# Altium PCB Time4CM4_PCIeCarrier_PCB.PcbDoc (part 4 of 5) (continued)
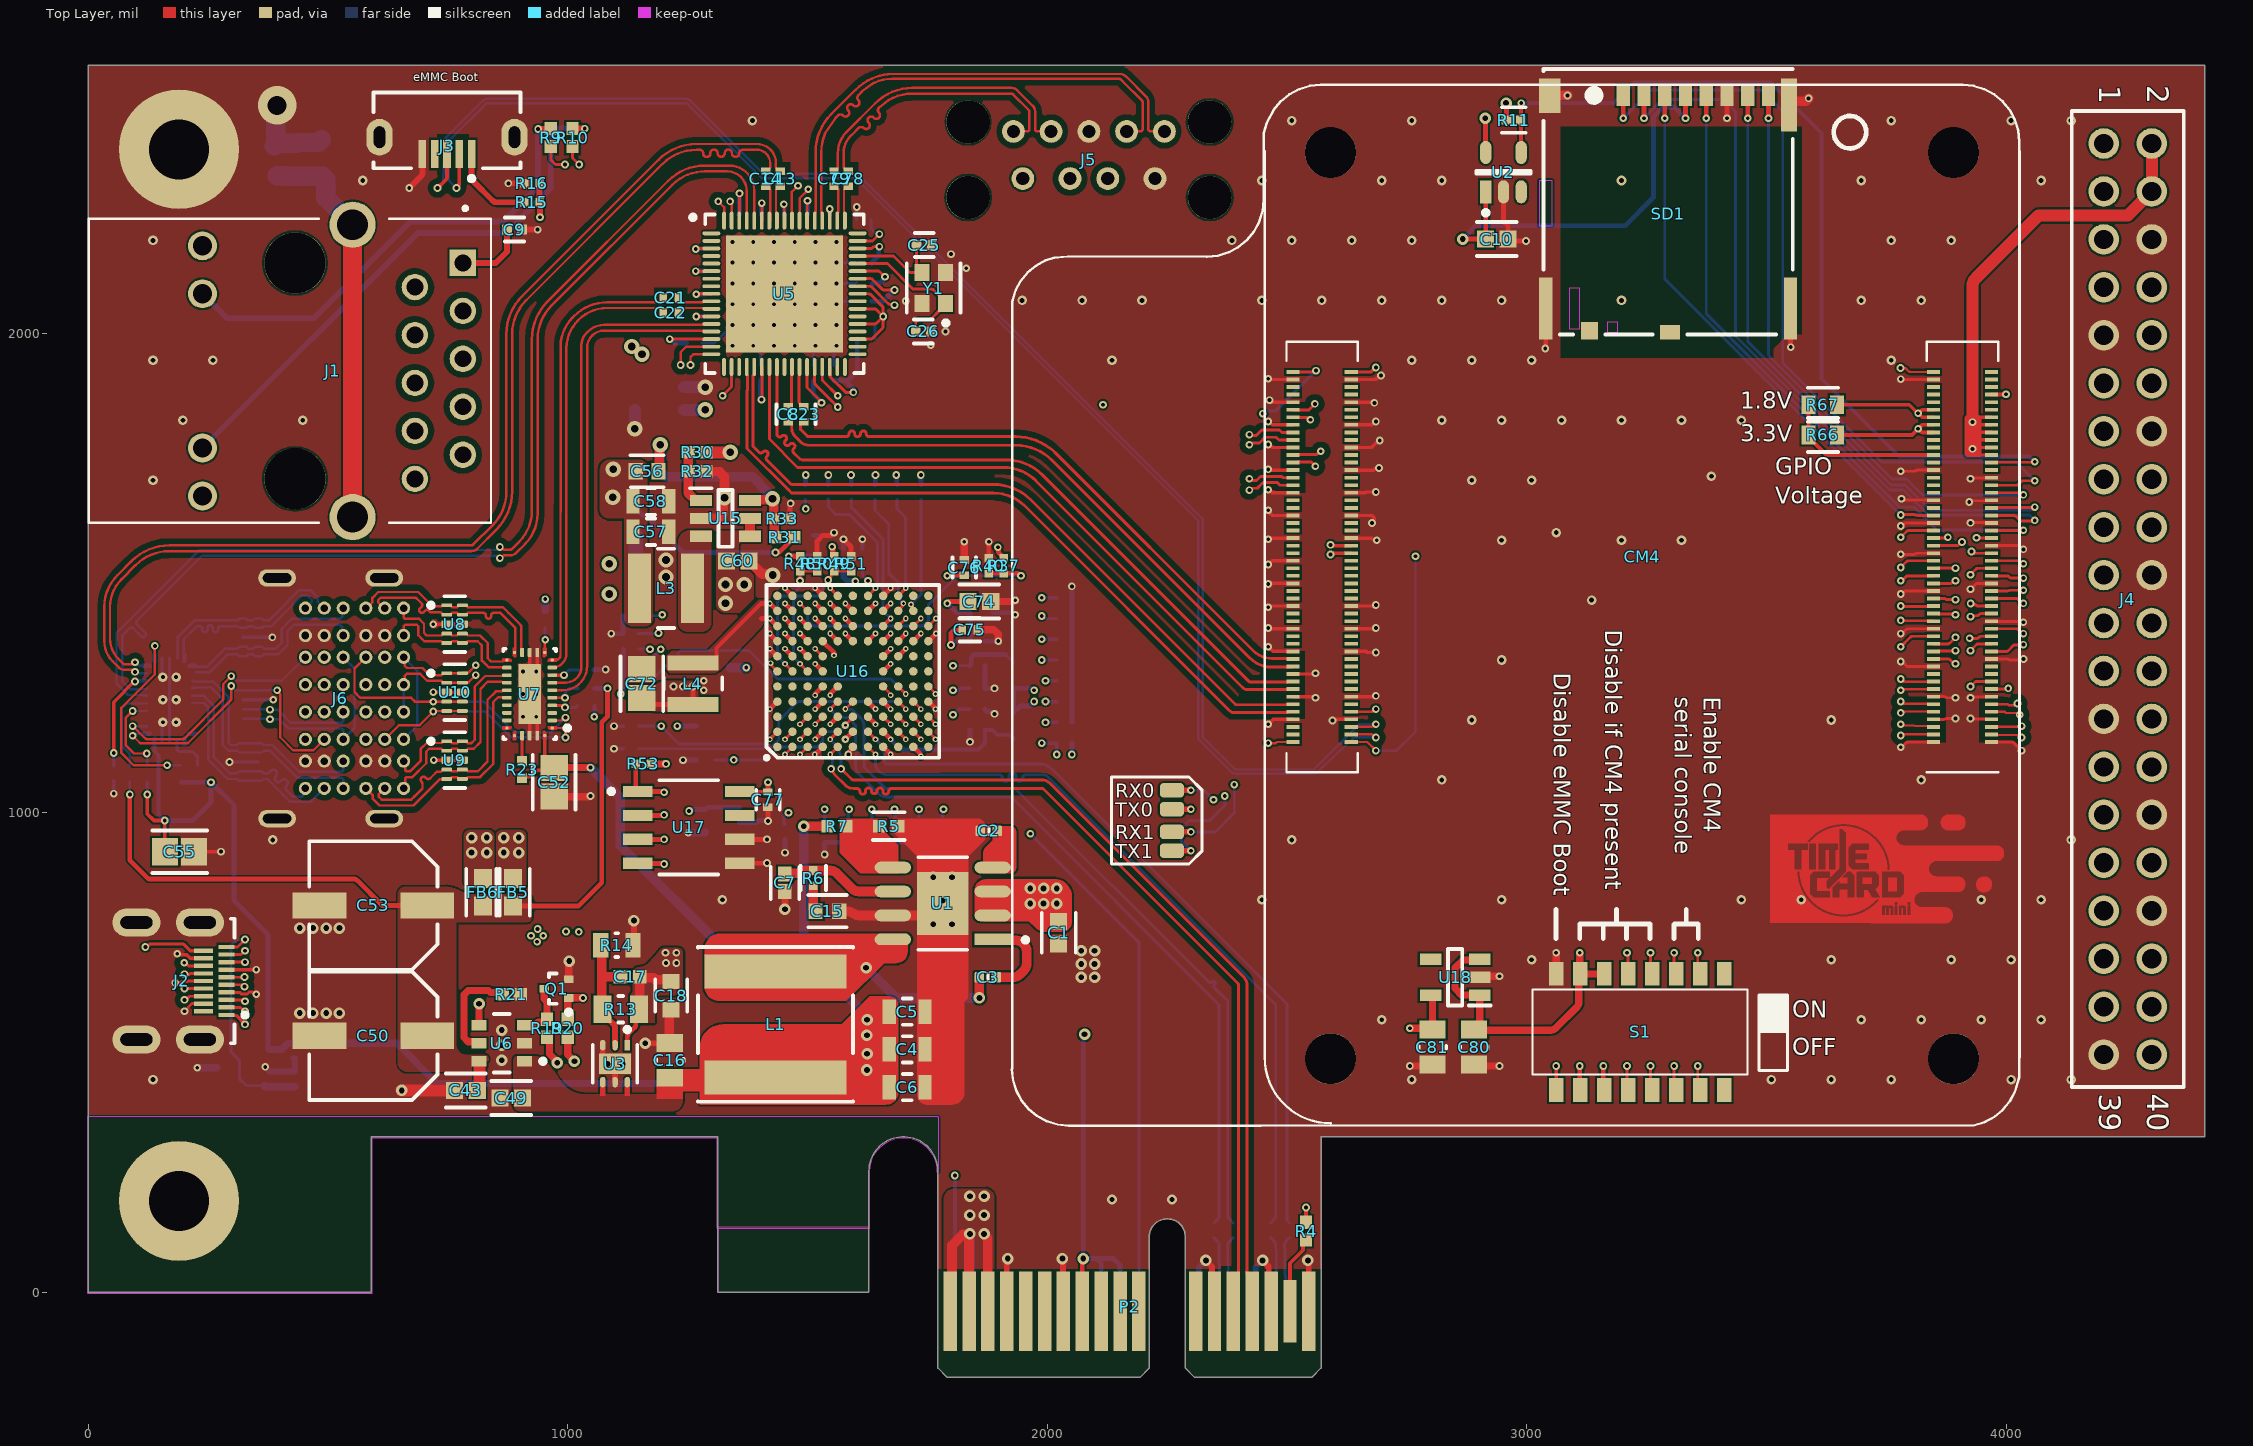
[diagram p0: Top Layer view]
## Nets (pads, with @x,y where several pads share a name; then routed paths per layer and width w, separated by ;. In a path a pad name is that pad's centre, name@x,y a point inside that pad or via, vN(x,y) a via of type N, cw(c..) or ccw(c..) an arc to the next point about the centre after c; other vN are vias at no path point) (continued)
  Bottom Layer w7: R44.2@1146.65,1411.06 R44.2@1146.83,1411.24
NetR45_1: R45.1 U16.A6 | length 324
  Top Layer w6: v3(1422.58,1312.34) 1423.73,1311.19 1423.73,1308.56 U16.A6@1437.01,1295.28
  Int2 (Sign) w6: v1(1193.9,1341.54) 1390.75,1341.54 1416.94,1315.34 1417.95,1315.34 1420.95,1312.34 v3(1422.58,1312.34)
  Bottom Layer w6: R45.1@1146.65,1310.31 1162.67,1310.31 v1(1193.9,1341.54)
NetR46_1: R46.1 U16.J5 | length 642.7
  Top Layer w6: U16.J5@1688.98,1263.78 v3(1704.72,1248.03)
  Bottom Layer w6: R46.1@1146.65,1278.54 1147.64,1279.53 1177.17,1279.53 1236.22,1338.58 1377.95,1338.58 1437.01,1279.53 1673.23,1279.53 v3(1704.72,1248.03)
NetR47_1: R47.1 U16.E10 | length 484.5
  Top Layer w10: v3(1547.24,1437.01) U16.E10@1562.99,1421.26
  Int2 (Sign) w6: v1(1171.26,1341.54) 1171.26,1380.91 1187.99,1397.64 1373.65,1397.64 1394.32,1418.31 1528.54,1418.31 v3(1547.24,1437.01)
  Bottom Layer w6: R47.1@1147.64,1341.54 v1(1171.26,1341.54)
NetR52_1: R52.1 U16.A2 | length 316.6
  Top Layer w6: v3(1421.26,1153.54) U16.A2@1437.01,1169.29
  Int2 (Sign) w6: v1@1196.85,1179.83 v1@1196.85,1181.1
  Bottom Layer w6: R52.1@1147.64,1181.1 v1(1194.88,1181.1) 1232.13,1143.86 1411.58,1143.86 v3(1421.26,1153.54)
NetR54_1: R54.1 U16.C3 | length 374.5
  Top Layer w6: v3(1484.25,1185.04) U16.C3@1500,1200.79
  Int2 (Sign) w6: v3(1484.25,1185.04) 1500.98,1168.31 1522.64,1168.31 1532.48,1158.46 1532.48,1083.66 1579.72,1036.42 1652.56,1036.42 v1(1681.1,1007.87)
  Bottom Layer w7: v1(1681.1,1007.87) 1681.1,1005.44 1683.07,1003.47 R54.1@1683.07,970.47
NetR55_1: R55.1 U16.B2 | length 239.6
  Top Layer w6: v3(1452.76,1153.54) U16.B2@1468.5,1169.29
  Int2 (Sign) w6: v3(1452.76,1153.54) 1469.49,1136.81 1469.49,1073.82 v1(1535.43,1007.87)
  Bottom Layer w7: R55.1@1535.43,970.47 v1(1535.43,1007.87)
NetR56_1: R56.1 U16.B1 | length 178.6
  Top Layer w6: v3(1452.76,1122.05) U16.B1@1468.5,1137.8
  Int2 (Sign) w6: v3(1452.76,1122.05) 1452.76,1120.42 1456.69,1116.49 1456.69,1006.64 1460.26,1003.07 v1(1460.26,1000.36)
  Bottom Layer w7: R56.1@1452.76,976.38 1450.79,978.35 1450.79,995.6 1451.83,996.64 1454.1,996.64 1457.83,1000.36 v1(1460.26,1000.36)
NetR57_1: R57.1 U16.C2 | length 291.5
  Top Layer w6: v3(1484.25,1153.54) U16.C2@1500,1169.29
  Int2 (Sign) w6: v3(1484.25,1153.54) 1499.02,1138.78 1499.02,1101.38 1575.79,1024.61 1617.13,1024.61 v1(1633.86,1007.87)
  Bottom Layer w7: R57.1@1633.86,970.47 v1(1633.86,1007.87)
NetR58_1: R58.1 U16.D3 | length 377.8
  Top Layer w6: v3(1515.75,1185.04) U16.D3@1531.5,1200.79
  Int2 (Sign) w6: v3(1515.75,1185.04) 1516.9,1183.89 1527.72,1183.89 1539.58,1172.04 1550.4,1172.04 1562.01,1160.43 1562.01,1123.03 1586.61,1098.43 1586.61,1087.6 1621.06,1053.15 1687.01,1053.15 v1(1732.28,1007.87)
  Bottom Layer w7: R58.1@1732.28,970.47 v1(1732.28,1007.87)
NetR59_1: R59.1 U16.C1 | length 227
  Top Layer w6: v3(1484.25,1122.05) U16.C1@1500,1137.8
  Int2 (Sign) w6: v3(1484.25,1122.05) 1484.25,1097.44 1573.82,1007.87 v1(1586.61,1007.87)
  Bottom Layer w7: R59.1@1584.65,970.47 1584.65,1003.47 1586.61,1005.44 v1(1586.61,1007.87) v1@1584.89,1006.15
NetR60_1: R60.1 U16.K1 | length 338.9
  Top Layer w10: U16.K1@1720.47,1137.8 1735.84,1122.43 1735.84,1118.61 v3(1736.22,1118.23)
  Int2 (Sign) w6: v3(1736.22,1118.23) 1737.37,1119.38 1741.61,1119.38 1741.84,1119.61 1765.28,1119.61 1808.9,1163.23 1970.31,1163.23 v1(1996.06,1188.98)
  Bottom Layer w7: v1(1996.06,1188.98) R60.1@2019.69,1188.98
NetR61_1: R61.1 U16.K2 | length 517.3
  Top Layer w6: U16.K2@1720.47,1169.29 v3(1736.22,1153.54)
  Int2 (Sign) w6: v3(1736.22,1153.54) 1751.97,1137.8 1769.32,1137.8 1804.76,1173.23 1958.22,1173.23 2011.06,1226.07 2011.06,1339.33 v1(1988.19,1362.2)
  Bottom Layer w7: v1(1988.19,1362.2) R61.1@2019.69,1362.2
NetR62_1: R62.1 U16.J3 | length 477.6
  Top Layer w6: U16.J3@1688.98,1200.79 v3(1704.72,1185.04)
  Int2 (Sign) w6: v3(1704.72,1185.04) 1717.13,1185.04 1730.63,1198.54 1737.91,1198.54 1749.72,1210.35 1749.72,1257.59 1767.72,1275.59 1881.89,1275.59 1963.76,1357.46 1963.76,1386.39 v1(1988.19,1410.83)
  Bottom Layer w7: v1(1988.19,1410.83) 1990.62,1410.83 1995.94,1405.51 R62.1@2019.69,1405.51
NetR63_1: R63.1 U16.L2 | length 310.3
  Top Layer w6: U16.L2@1751.97,1169.29 1766.53,1154.73 v3(1766.53,1153.54)
  Int2 (Sign) w6: v3(1766.53,1153.54) 1798.02,1185.04 1948.82,1185.04 v1(1996.06,1232.28) v1@1994.15,1230.37
  Bottom Layer w7: v1(1996.06,1232.28) R63.1@2019.69,1232.28
NetR64_1: R64.1 U16.K3 | length 343.2
  Top Layer w6: U16.K3@1720.47,1200.79 v3(1736.22,1185.04)
  Int2 (Sign) w6: v3(1736.22,1185.04) 1747.44,1185.04 1760.94,1198.54 1773.34,1198.54 1796.41,1221.6 1906.64,1221.6 1960.63,1275.59 v1(1996.06,1275.59)
  Bottom Layer w7: v1(1996.06,1275.59) R64.1@2019.69,1275.59
NetR65_2: R65.2 U16.L5 | length 314.1
  Top Layer w6: U16.L5@1751.97,1263.78 1766.53,1249.22 v3(1766.53,1248.03)
  Int2 (Sign) w6: v3(1766.53,1248.03) 1778.34,1236.22 1905.51,1236.22 v1(1988.19,1318.9)
  Bottom Layer w7: v1(1988.19,1318.9) R65.2@2019.68,1318.9
nEXTRST: CM4.100 R19.2 U5.31 | length 4429
  Top Layer w5: v1(3779,1928) 3786.93,1928 cw(c3786.93,1923) 3790.44,1926.56 3795.91,1921.09 ccw(c3799.42,1924.65) 3799.39,1919.65 CM4.100@3847.7,1919.65
  Top Layer w6: U5.31@1530.51,1930.12 1530.51,1905.04 ccw(c1536.51,1905.04) 1532.25,1900.82 v1(1562.99,1870.08) ; v1@1563.95,1869.12 v1@1563.95,1869.52
  Top Layer w15: R19.2@956.69,532.48 961.99,527.19 961.99,497.14 977.78,481.35 v4(977.78,478.91)
  Int2 (Sign) w6: v1(1562.99,1870.08) 1582.68,1850.39 v1@2116.14,1850.39
  Int2 (Sign) w15: v4(977.78,478.91) 977.78,518.13 1059.06,599.41 1059.06,755.91 1040.35,774.61 1017.72,774.61 v1(996.06,752.95)
  Int3 (Sign) w6: v1@996.06,753.94 1010.67,768.54 1010.67,1526.42 1206.85,1722.6 1380.08,1722.6 1409.45,1751.97 1451.77,1751.97 1543.31,1843.5 1543.31,1850.39 v1(1562.99,1870.08) ; v1(2116.14,1851.38) 2282.48,2017.72 2874.02,2017.72 2992.13,1899.61 3750.61,1899.61 v1(3779,1928)
nRPIBOOT: CM4.93 S1.9 | length 2117.6
  Top Layer w8: v1(3061.02,472.44) 3061.22,472.24 S1.9@3061.22,422.24 ; CM4.93@3968.96,1872.41 3998.39,1872.41 v1(3999.02,1873.03)
  Int3 (Sign) w8: v1(3061.02,472.44) 3139.76,551.18 3562.99,551.18 3986.22,974.41 3986.22,1309.06 3999.02,1321.85 v1(3999.02,1873.03)
OCP_PWR_EN: Q1.3 R19.1 U6.3 | length 119.5
  Top Layer w15: U6.3@909.45,557.09 911.42,559.06 933.07,559.06 937.62,563.6 951.4,563.6 956.69,568.9 R19.1@956.69,569.88 956.69,606.3 950.79,612.2 Q1.3@950.79,633.86
PCC1: J6.A5-A U7.2 U10.4 U10.7 | length 660.6
  Top Layer w5: J6.A5-A@578.74,1324.8 555.12,1301.18 555.12,1251.97 566.93,1240.16 673.23,1240.16 681.1,1232.28 719.17,1232.28 v1(719.49,1231.97) ; v1@719.49,1232.28 U10.4@747.34,1232.28 U10.7@780.22,1232.28 ; U7.2@967.52,1192.91 986.65,1192.91 992.56,1198.82 v1(995.08,1198.82)
  Bottom Layer w5: v1(719.49,1231.97) 825.12,1231.97 888.78,1168.31 964.57,1168.31 v1(995.08,1198.82)
PCC2: J6.B5-A U7.1 U10.5 U10.6 | length 527.2
  Top Layer w5: J6.B5-A@618.11,1153.54 647.64,1183.07 690.94,1183.07 v1(719.49,1211.61) 720.47,1212.6 U10.5@747.34,1212.6 U10.6@780.22,1212.6 ; U7.1@967.52,1177.17 987.2,1177.17 995.02,1169.35 v1(995.08,1157.48) v1(995.08,1157.48)
  Bottom Layer w5: v1(719.49,1211.61) 827.76,1211.61 881.89,1157.48 v1(995.08,1157.48)
PCIE_CLK_N: C45.2 U16.F4 | length 1603.2
  Top Layer w6: v3(1578.76,1216.58) 1584.15,1221.95 U16.F4@1594.49,1232.28
  Bottom Layer w6: v3(1578.76,1216.58) ccw(c1583.3,1230.11) 1582.1,1215.89 1591.8,1215.89 1592.61,1215.84 1611.03,1197.42 cw(c1594,1180.51) 1618,1180.51 1618,1097.94 ccw(c1624,1097.94) 1619.74,1093.72 1660.72,1052.74 ccw(c1664.94,1057) 1664.94,1051 1932.69,1051 2333.7,649.99 2335.82,647.87 ccw(c2340.06,652.11) 2344.31,647.87 cw(c2346.78,645.39) 2349.26,647.87 cw(c2346.78,645.39) 2349.26,642.92 ccw(c2353.5,638.68) 2349.26,634.43 2375.07,608.62 2376.2,607.48 2376.2,158.84 ccw(c2382.2,158.84) 2377.94,154.62 2379.26,153.3 C45.2@2386.89,144.88
PCIE_CLK_P: C44.2 U16.E4 | length 1602.1
  Top Layer w6: v3(1547.24,1216.54) U16.E4@1562.99,1232.28
  Bottom Layer w6: v3(1547.24,1216.54) cw(c1544.11,1211.42) 1548.35,1215.66 1557.46,1206.55 ccw(c1561.67,1210.83) 1559.29,1205.32 1570.42,1200.52 1572.17,1199.83 ccw(c1578.76,1216.58) 1573.01,1199.52 1585.1,1197.89 1585.15,1197.84 1591.5,1191.5 1598.26,1184.74 cw(c1594,1180.51) 1600,1180.51 1600,1137.94 1601.5,1137.94 1601.5,1117.94 1600,1117.94 1600,1097.94 ccw(c1624,1097.94) 1606.97,1081.03 1648.03,1039.97 ccw(c1663.81,1055.86) 1663.81,1033.46 1851.1,1033.46 1851.57,1033 1925.23,1033 2358.2,600.03 2358.2,158.84 cw(c2352.2,158.84) 2356.47,154.62 2355.15,153.3 C44.2@2347.52,144.88
PCIE_PERST: P2.A11 R3.1 U16.J2 | length 1691.4
  Top Layer w6: U16.J2@1688.98,1169.29 v3(1704.72,1153.54)
  Int2 (Sign) w6: v3(1704.72,1153.54) 1704.72,1125.98 1725.48,1105.23 1947.02,1105.23 1987.46,1145.67 v1(1988.19,1145.67)
  Int2 (Sign) w7: v1(1964.57,956.69) 2019.68,1011.81 v1(2019.68,1122.05)
  Bottom Layer w7: v1(1964.57,956.69) 2191,730.26 P2.A11@2191,-39 ; v1(1988.19,1145.67) R3.1@2019.69,1145.67 v1(2019.68,1122.05)
PCIE_REFCLK_N: C45.1 P2.A14 | length 157.9
  Bottom Layer w6: C45.1@2386.89,114.17 2379.26,105.76 2377.94,104.44 ccw(c2382.2,100.22) 2376.2,100.22 2376.2,67.43 ccw(c2382.2,67.43) 2376.23,66.9 2377.08,56.41 cw(c2353.16,54.42) 2377.16,54.42 2377.16,40.5 P2.A14@2387.85,-39
PCIE_REFCLK_P: C44.1 P2.A13 | length 157.9
  Bottom Layer w6: C44.1@2347.52,114.17 2355.15,105.76 2356.47,104.44 cw(c2352.2,100.22) 2358.2,100.22 2358.2,67.39 ccw(c2382.2,67.43) 2358.28,65.48 2359.15,54.91 cw(c2353.16,54.42) 2359.16,54.42 2359.16,40.5 P2.A13@2348.48,-39
PCIE_RX_N: P2.B15 U16.E2 | length 1806.1
  Top Layer w6: v3(1547.24,1153.54) U16.E2@1562.99,1169.29 ; v1(1570,1092) 1591.26,1070.74 ccw(c1595.48,1075) 1595.49,1069 1775.49,1069 ; 1774.81,1068.91 1988.73,1068.91 cw(c1988.72,1045.21) 2005.44,1062.02 2409.55,657.91 cw(c2392.53,640.98) 2409.59,657.87 cw(c2392.53,640.98) 2416.53,640.98 2416.53,40.5 P2.B15@2427.22,-39
  Bottom Layer w6: v3(1547.24,1153.54) ccw(c1552.36,1156.68) 1548.08,1152.48 1557.21,1143.34 ; 1557.22,1143.33 cw(c1552.95,1139.12) 1558.29,1141.85 1567.37,1124.11 cw(c1546,1113.18) 1570,1113.18 1570,1107.38 cw(c1546,1107.42) 1569.85,1104.77 1568.79,1095.2 v1@1568.74,1095.35
PCIE_RX_P: P2.B14 U16.E1 | length 1816.4
  Top Layer w6: v3(1547.24,1122.05) U16.E1@1562.99,1137.8 ; v1(1549,1092) 1549.17,1091.83 cw(c1544.91,1087.6) 1550.13,1090.56 1554.33,1083.14 ccw(c1570,1092) 1557.29,1079.25 1578.56,1057.99 ccw(c1595.49,1075) 1584.99,1053.42 ccw(c1595.49,1075) 1588,1052.2 1595.49,1051 1603,1051 cw(c1603,1045) 1609,1045 ccw(c1615,1045) 1621,1045 1621,1046.27 cw(c1627,1046.27) 1633,1046.27 ccw(c1639,1046.26) 1645,1046.26 cw(c1651,1046.27) 1657,1046.27 1657,1045 ccw(c1663,1045) 1669,1045 cw(c1675,1045) 1675,1051 1712.31,1051 1988.51,1051 cw(c1988.51,1045) 1992.76,1049.24 2396.78,645.22 cw(c2392.53,640.98) 2398.53,640.98 2398.53,40.5 P2.B14@2387.85,-39
  Bottom Layer w6: v3(1547.24,1122.05) 1550.97,1116.55 cw(c1546,1113.18) 1552,1113.18 1552,1107.38 cw(c1546,1107.42) 1551.95,1106.64 1550.45,1095.19 cw(c1544.5,1095.97) v1(1549,1092)
PCIE_TX0_N: C47.1 P2.A17 | length 157.9
  Bottom Layer w6: C47.1@2505,114.17 2497.37,105.76 2496.05,104.44 ccw(c2500.31,100.22) 2494.31,100.22 2494.31,97.2 ccw(c2500.31,97.23) 2494.33,96.74 2495.2,86.17 cw(c2471.28,84.22) 2495.28,84.22 2495.28,40.5 P2.A17@2505.96,-39
PCIE_TX0_P: C46.1 P2.A16 | length 157.9
  Bottom Layer w6: C46.1@2465.63,114.17 2473.26,105.76 2474.56,104.46 cw(c2470.31,100.22) 2476.31,100.22 2476.31,97.2 ccw(c2500.31,97.23) 2476.39,95.28 2477.26,84.71 cw(c2471.28,84.22) 2477.28,84.22 2477.28,40.5 P2.A16@2466.59,-39
PCIE_TX_N: C47.2 U16.G2 | length 1581.9
  Top Layer w6: U16.G2@1625.98,1169.29 v3(1641.73,1153.54)
  Bottom Layer w6: v3(1641.73,1153.54) 1652.05,1143.23 cw(c1647.79,1139) 1653.36,1141.25 1658.39,1128.87 cw(c1641.73,1122.05) 1659.73,1122.05 1659.73,1105.88 1663.25,1102.36 1982.52,1102.36 cw(c1982.52,1062.35) 2010.71,1090.74 2500,601.46 2500,149.88 C47.2@2505,144.88
PCIE_TX_P: C46.2 U16.G1 | length 1585.4
  Top Layer w6: U16.G1@1625.98,1137.8 v3(1641.73,1122.05)
  Bottom Layer w6: v3(1641.73,1122.05) 1641.73,1103.71 ccw(c1665.73,1103.71) 1665.73,1079.71 1805.49,1079.71 1899.28,1079.71 cw(c1899.28,1072.71) 1906.28,1072.71 ccw(c1913.28,1072.71) 1920.28,1072.71 1920.28,1076.46 cw(c1927.28,1076.46) 1934.28,1076.46 1934.28,1072.71 ccw(c1941.28,1072.71) 1948.28,1072.71 cw(c1955.28,1072.71) 1955.28,1079.71 1958.28,1079.71 1993.8,1079.71 cw(c1993.8,1073.71) 1998.03,1077.97 2474.58,601.42 cw(c2470.31,597.2) 2476.31,597.2 2476.31,158.84 cw(c2470.31,158.84) 2474.58,154.62 2473.26,153.3 C46.2@2465.63,144.88
PCIe_UART_RX0: pad.2@2259.84,1047.24 S1.15 U16.J9 | length 2398.6
  Top Layer w6: U16.J9@1688.98,1389.76 v3(1704.72,1405.51) ; v1(3356.3,472.44) 3356.3,427.17 S1.15@3361.22,422.24
  Top Layer w12: pad.2@2259.84,1047.24 v1(2299.21,1047.24)
  Int2 (Sign) w6: v3(1704.72,1405.51) 1775.59,1476.38 1992.13,1476.38 2003.19,1487.44 2067.68,1487.44 2346.46,1208.66 v1(2346.46,1027.56) 2347.85,1027.56 2361.63,1013.78 2401.57,1013.78 2824.8,590.55 3267.72,590.55 3356.3,501.97 v1(3356.3,472.44)
  Bottom Layer w6: v1(2299.21,1047.24) 2326.77,1047.24 v1(2346.46,1027.56)
PCIe_UART_RX1: pad.2@2259.84,960.63 S1.13 U16.G10 | length 2532.1
  Top Layer w6: v1(3257.87,472.44) 3257.87,425.59 S1.13@3261.22,422.24
  Top Layer w10: U16.G10@1625.98,1421.26 v3(1641.73,1437.01)
  Top Layer w12: pad.2@2259.84,960.63 v1(2299.21,960.63)
  Int2 (Sign) w6: v3(1641.73,1437.01) 1657.48,1452.76 1657.48,1480.32 1696.85,1519.69 2065.32,1519.69 2389.76,1195.24 v1(2389.76,1059.06) ; v1(2299.21,960.63) 2415.35,960.63 2824.8,551.18 3218.5,551.18 3257.87,511.81 v1(3257.87,472.44)
  Bottom Layer w6: v1(2299.21,960.63) 2350.39,960.63 2389.76,1000 v1(2389.76,1059.06)
PCIe_UART_TX0: pad.2@2259.84,1007.87 S1.14 U16.K9 | length 2295.6
  Top Layer w6: U16.K9@1720.47,1389.76 v3(1736.22,1405.51) ; v1(3307.09,472.44) 3307.09,426.38 S1.14@3311.22,422.24
  Top Layer w12: pad.2@2259.84,1007.87 v1(2299.21,1007.87)
  Int2 (Sign) w6: v3(1736.22,1405.51) 1795.28,1464.57 1993.65,1464.57 2000.78,1457.44 2070.01,1457.44 2334.65,1192.81 2334.65,1043.31 v1(2299.21,1007.87) 2322.83,984.25 2411.42,984.25 2824.8,570.87 3238.19,570.87 3307.09,501.97 v1(3307.09,472.44)
PCIe_UART_TX1: pad.2@2259.84,921.26 S1.12 U16.H10 | length 2433.5
  Top Layer w6: v1(3208.66,472.44) 3208.66,424.8 S1.12@3211.22,422.24
  Top Layer w10: U16.H10@1657.48,1421.26 v3(1673.23,1437.01)
  Top Layer w12: pad.2@2259.84,921.26 v1(2299.21,921.26)
  Int2 (Sign) w6: v3(1673.23,1437.01) 1688.98,1452.76 1688.98,1486.61 1712.05,1509.69 2061.18,1509.69 2370.08,1200.79 v1(2370.08,1035.43) ; v1(2299.21,921.26) 2435.04,921.26 2814.96,541.34 2820.5,541.34 2820.66,541.18 3139.92,541.18 v1(3208.66,472.44)
  Bottom Layer w6: v1(2299.21,921.26) 2279.53,940.94 2279.53,968.5 2295.28,984.25 2338.58,984.25 2370.08,1015.75 v1(2370.08,1035.43)
PCONN_RX1_N: J6.B10-A U7.17 U8.5 U8.6 | length 300.2
  Top Layer w5: J6.B10-A@657.48,1370.08 657.48,1389.69 660.41,1392.62 685.06,1392.62 687.99,1389.69 687.99,1370.82 696.24,1362.58 700.64,1358.17 736.31,1358.17 740.16,1354.33 U8.5@747.34,1354.33 754.53,1354.33 758.37,1358.17 769.19,1358.17 773.03,1354.33 U8.6@780.22,1354.33 787.4,1354.33 791.24,1358.17 812.01,1358.17 820.87,1349.32 820.87,1317.68 831.08,1307.46 834.6,1303.95 U7.17@864.17,1303.95
PCONN_RX1_P: J6.B11-A U7.16 U8.4 U8.7 | length 300.2
  Top Layer w5: J6.B11-A@657.48,1427.17 657.48,1407.55 660.41,1404.62 690.03,1404.62 699.99,1394.66 699.99,1375.8 705.61,1370.17 736.31,1370.17 740.16,1374.02 U8.4@747.34,1374.02 754.53,1374.02 758.37,1370.17 769.19,1370.17 773.03,1374.02 U8.7@780.22,1374.02 787.4,1374.02 791.24,1370.17 816.98,1370.17 832.87,1354.29 832.87,1322.65 839.57,1315.95 864.17,1315.95
PCONN_RX2_N: J6.A10-A U7.20 U9.4 U9.7 | length 488.4
  Top Layer w5: J6.A10-A@618.11,1051.18 605.46,1038.54 605.46,1034.39 612.3,1027.56 673.23,1027.56 680.12,1034.45 696.85,1051.18 696.85,1060.8 ccw(c690.85,1060.8) 695.09,1065.05 694.94,1065.2 cw(c699.19,1069.44) 694.94,1073.68 cw(c699.19,1069.44) 703.43,1073.68 704.69,1072.42 ccw(c708.93,1076.67) 713.17,1072.42 723.43,1082.68 726.68,1085.93 735.54,1085.93 740.16,1090.55 U9.4@747.34,1090.55 754.53,1090.55 758.37,1086.71 769.19,1086.71 773.03,1090.55 U9.7@780.22,1090.55 787.4,1090.55 791.24,1086.71 812.1,1086.71 832.49,1107.09 832.49,1236.03 850.05,1253.59 862.76,1253.59 863.63,1254.47 871.59,1254.47 U7.20@873.03,1255.91
PCONN_RX2_P: J6.A11-A U7.21 U9.5 U9.6 | length 486.1
  Top Layer w5: J6.A11-A@578.74,1051.18 593.46,1036.46 593.46,1029.42 607.33,1015.56 678.2,1015.56 733.17,1070.53 754.19,1070.53 758.37,1074.71 769.19,1074.71 773.03,1070.87 U9.6@780.22,1070.87 787.4,1070.87 791.24,1074.71 817.07,1074.71 844.49,1102.12 844.49,1231.06 855.02,1241.59 871.59,1241.59 U7.21@873.03,1240.16
PCONN_TX1_N: J6.A3-A U7.15 U8.2 U8.9 | length 422.9
  Top Layer w5: J6.A3-A@618.11,1427.17 616.69,1427.17 604.43,1439.43 604.43,1443.57 609.67,1448.82 683.38,1448.82 685.19,1447.01 686.96,1445.24 694.74,1437.46 cw(c690.85,1433.57) 694.74,1429.68 691.69,1426.63 ccw(c695.58,1422.74) 691.69,1418.85 ccw(c695.58,1422.74) 699.46,1418.85 702.52,1421.9 cw(c706.41,1418.01) 710.3,1421.9 713.89,1418.31 721.46,1418.31 735.24,1418.31 738.72,1414.82 753.09,1414.82 754.53,1413.39 758.37,1417.23 769.19,1417.23 773.03,1413.39 U8.9@780.22,1413.39 787.4,1413.39 791.24,1417.23 810.04,1417.23 823.54,1417.23 cw(c823.54,1411.73) 829.04,1411.73 829.04,1410.75 ccw(c834.54,1410.75) 840.04,1410.75 840.04,1411.73 cw(c845.54,1411.73) 845.54,1417.23 859.35,1417.23 870.08,1406.5 890.75,1385.83 890.75,1342.52
PCONN_TX1_P: J6.A2-A U7.14 U8.1 U8.10 | length 425.4
  Top Layer w5: J6.A2-A@578.74,1427.17 580.16,1427.17 592.43,1439.43 592.43,1448.54 604.7,1460.82 688.04,1460.82 717.76,1431.1 735.79,1431.1 736.32,1431.63 745.91,1431.63 U8.1@747.34,1433.07 754.53,1433.07 758.37,1429.23 769.19,1429.23 773.03,1433.07 U8.10@780.22,1433.07 787.4,1433.07 791.24,1429.23 864.32,1429.23 876.1,1417.44 900.71,1392.84 902.75,1390.8 U7.14@902.75,1342.52
PCONN_TX2_N: J6.B2-A U7.19 U9.2 U9.9 | length 404.4
  Top Layer w5: J6.B2-A@657.48,1051.18 660.68,1054.39 660.68,1071.87 663.61,1074.8 676.18,1074.8 704.91,1103.54 704.91,1128.14 710.63,1133.86 736.22,1133.86 740.16,1129.92 U9.2@747.34,1129.92 754.53,1129.92 758.37,1133.76 769.19,1133.76 773.03,1129.92 U9.9@780.22,1129.92 787.4,1129.92 791.24,1133.76 803.81,1133.76 817.91,1147.87 817.91,1161.42 817.91,1171.26 817.91,1258.69 832.75,1273.53 862.76,1273.53 863.2,1273.09 871.59,1273.09 U7.19@873.03,1271.65
PCONN_TX2_P: J6.B3-A U7.18 U9.1 U9.10 | length 402.2
  Top Layer w5: J6.B3-A@657.48,1108.27 660.68,1105.06 660.68,1089.73 663.61,1086.8 671.21,1086.8 692.91,1108.51 692.91,1133.11 705.66,1145.86 736.41,1145.86 740.16,1149.61 U9.1@747.34,1149.61 754.53,1149.61 758.37,1145.76 769.19,1145.76 773.03,1149.61 U9.10@780.22,1149.61 787.4,1149.61 791.24,1145.76 798.84,1145.76 805.91,1152.84 805.91,1161.42 805.91,1171.26 805.91,1263.66 827.78,1285.53 862.76,1285.53 863.2,1285.96 871.59,1285.96 U7.18@873.03,1287.4
PRSNT: P2.A1 R4.1 | length 1058.2
  Top Layer w8: R4.1@2539.37,146.65 v1(2539.37,177.17)
  Int3 (Sign) w8: v1(1807.09,244.09) 2472.44,244.09 v1(2539.37,177.17)
  Bottom Layer w8: P2.A1@1797.3,-19.5 1797.3,56.5 1807.09,66.29 v1(1807.09,244.09)
PWRGD_TP: U16.D9 | length 22.2
  Top Layer w10: v3(1515.75,1405.31) 1515.95,1405.31 U16.D9@1531.5,1389.76
RUN_PG: CM4.92
SD_CLK: CM4.57 SD1.5 | length 1369.9
  Top Layer w6: CM4.57@3968.96,1588.94 4032.54,1588.94 ccw(c4032.54,1594.94) v1(4035.43,1589.69)
  Top Layer w10: v1@3374.02,2448.86 SD1.5@3374.02,2496.06
  Bottom Layer w6: v1(3374.02,2448.82) 3374.02,2041.2 3777.67,1637.54 3807.34,1637.54 3855.08,1589.8 4035.31,1589.8 v1(4035.43,1589.69)
SD_CMD: CM4.62 SD1.3 | length 1147.3
  Top Layer w6: v1(3779.53,1621.54) 3780.03,1622.05 3807.72,1622.05 cw(c3807.72,1616.05) 3809.75,1621.69 3813.03,1621.69 3814.28,1620.44 CM4.62@3847.7,1620.44
  Top Layer w10: v1@3287.4,2448.86 SD1.3@3287.4,2496.06
  Bottom Layer w6: v1(3287.4,2448.82) 3287.4,2113.67 v1(3779.53,1621.54)
SD_DAT0: CM4.63 SD1.7 | length 1350.2
  Top Layer w6: CM4.63@3968.96,1636.19 3979.74,1636.99 4056.05,1636.99 ccw(c4056.05,1642.99) v1(4059.06,1637.8)
  Top Layer w10: v1@3460.63,2448.86 SD1.7@3460.63,2496.06
  Bottom Layer w6: v1(3460.63,2448.82) 3460.63,1982.87 3759.27,1684.23 3788.21,1684.23 3814.9,1657.54 3815.62,1657.54 3841.87,1631.3 4049.85,1631.3 4056.35,1637.8 v1(4059.06,1637.8)
SD_DAT1: CM4.67 SD1.8 | length 1261.8
  Top Layer w6: CM4.67@3968.96,1667.68 4025.95,1667.68 cw(c4025.95,1661.68) 4030.23,1665.88 4030.97,1665.14 ccw(c4035.21,1669.39) 4035.21,1663.39 v1(4035.43,1663.39)
  Top Layer w10: v1@3503.94,2448.86 SD1.8@3503.94,2496.06
  Bottom Layer w6: v1(3503.94,2448.82) 3503.94,1953.7 3761.41,1696.23 3791.96,1696.23 3824.8,1663.39 v1(4035.43,1663.39)
SD_DAT2: CM4.69 SD1.1 | length 1668.2
  Top Layer w6: CM4.69@3968.96,1683.43 4020.76,1683.43 ccw(c4020.76,1689.43) 4024.98,1685.17 4030.99,1691.17 cw(c4035.21,1686.91) 4035.21,1692.91 v1(4059.06,1692.91)
  Top Layer w10: v1@3200.79,2448.86 SD1.1@3200.79,2496.06
  Bottom Layer w6: v1(3200.79,2448.82) 3259.84,2507.87 3488.19,2507.87 3533.46,2462.6 3533.46,1938.32 3739.5,1732.28 4019.69,1732.28 v1(4059.06,1692.91)
SD_DAT3: CM4.61 SD1.2 | length 1611
  Top Layer w6: CM4.61@3968.96,1620.44 4015.46,1620.44 cw(c4015.46,1614.44) 4019.75,1618.63 4027.52,1610.86 ccw(c4031.76,1615.11) 4031.76,1609.11 4055.55,1609.11 ccw(c4055.55,1615.11) v1(4059.06,1610.24)
  Top Layer w10: v1@3244.09,2448.86 SD1.2@3244.09,2496.06
  Bottom Layer w6: v1(3244.09,2448.82) 3283.46,2488.19 3409.45,2488.19 3435.04,2462.6 3435.04,1994.32 3756.13,1673.23 3785.07,1673.23 3810.76,1647.54 3811.48,1647.54 3837.72,1621.3 4047.99,1621.3 v1(4059.06,1610.24)
SD_DAT4: CM4.68
SD_DAT5: CM4.64
SD_DAT6: CM4.72
SD_DAT7: CM4.70
SD_PWR: C10.1 SD1.4 U2.1 | length 880.2
  Top Layer w10: v4(2866.14,2196.85) C10.1@2913.36,2196.85 2914.21,2197.7 U2.1@2914.21,2295.28 ; v1(3330.71,2448.82) SD1.4@3330.71,2496.06
  Bottom Layer w10: v4(2866.14,2196.85) 2893.7,2224.41 3204.72,2224.41 3263.78,2283.46 3263.78,2451.53 3284.69,2472.44 3307.09,2472.44 v1(3330.71,2448.82)
SD_PWR_ON: CM4.75 R11.1 U2.4 | length 1909.9
  Top Layer w6: CM4.75@3968.96,1730.67 3979.74,1731.48 4056.05,1731.48 ccw(c4056.05,1737.48) v1(4059.06,1732.28)
  Top Layer w8: U2.4@2988.19,2377.42 2987.77,2377.84 2987.77,2479.89 v1(2988.19,2480.32)
  Bottom Layer w8: v1(2988.19,2480.32) 3181.1,2480.32 3224.41,2523.62 3507.87,2523.62 3614.17,2417.32 3614.17,1905.51 3776.4,1743.28 4048.06,1743.28 v1(4059.06,1732.28)
SD_VDD_OR: CM4.73
USB_ANA_3V3: C20.1 C35.2 C36.2 C37.2 C38.2 C39.2 C40.2 C41.2 C42.2 FB4.2 R17.2 R20.2 U5.6 U5.15 U5.23 U5.32 U5.46 U5.49 U5.57 U5.66 | length 3101
  Top Layer w6: v1(1212.6,1988.19) U5.15@1299.21,1988.19 ; U5.66@1357.28,2235.24 1357.96,2235.91 v1(1357.96,2292.04) ; v1(1404,1862) 1404.53,1862.53 U5.23@1404.53,1930.12 ; U5.57@1499.02,2235.24 1499.02,2235.59 ccw(c1493.37,2237.64) 1499.37,2237.6 1499.37,2276.28 v1(1499.75,2276.65) ; U5.32@1546.26,1930.12 1546.26,1929.74 cw(c1540.62,1927.72) 1546.62,1927.72 1546.62,1912.56 ccw(c1552.62,1912.56) 1548.36,1908.34 1579.53,1877.16 v1(1595.5,1877.16) v1@1596.93,1877.16 ; U5.46@1604.33,2129.92 1646.7,2129.92 cw(c1646.7,2123.92) 1650.97,2128.14 1659.92,2119.18 ccw(c1664.13,2123.46) v1(1661.42,2118.11) ; U5.49@1604.33,2177.17 1631.37,2177.17 ccw(c1631.37,2183.17) 1635.6,2178.9 1636.06,2179.36 cw(c1640.28,2175.1) 1640.28,2181.1 v1(1649.61,2181.1)
  Top Layer w7: v1(1266.73,2129.92) U5.6@1299.21,2129.92
  Top Layer w15: R20.2@1000,532.48 1000,496.2 1013.78,482.42 v4(1013.78,482.28)
  Int2 (Sign) w40: 941.93,750 881.89,689.96 836.61,689.96 739.17,592.52 739.17,479.33 786.42,432.09 990.35,432.09 1013.78,455.52 v4(1013.78,482.28)
  Int3 (Sign) w40: 928.15,735.24 973.43,780.51 973.43,994.09 858.27,1109.25 858.27,1307.09 920.76,1369.57 920.76,1672.72 1098.43,1850.39 1204.72,1850.39
  Bottom Layer w10: v1(1212.6,1988.19) 1214.22,1988.19 1222.1,1980.32 C36.2@1248.03,1980.32 ; v1(1266.73,2129.92) C35.2@1285.43,2129.92 ; C37.2@1356.3,2247.05 1357.96,2248.71 v1(1357.96,2292.04) 1357.96,2274.94 1356.3,2273.28 ; C39.2@1401.57,1901.57 1401.57,1866.05 1404,1863.62 v1(1404,1862) ; C38.2@1499.02,2247.05 1499.51,2247.54 1499.51,2276.41 v1(1499.75,2276.65) ; C42.2@1555.12,1901.57 1578.74,1901.57 ; v1(1595.5,1877.16) 1595.5,1884.81 1578.74,1901.57 ; R17.2@1603.35,1988.19 1603.35,1921.26 1583.66,1901.57 1578.74,1901.57 ; C40.2@1633.86,2102.36 1636.61,2105.11 1650.04,2105.11 1661.42,2116.49 v1(1661.42,2118.11) ; C41.2@1633.86,2145.67 1633.86,2147.64 1648.46,2162.24 1648.46,2179.95 v1(1649.61,2181.1)
  Bottom Layer w25: C20.1@1242.13,1840.53 v6@1285.42,1840.54
  other v1: 936.02,731.3 923.23,744.09 948.82,744.09 937.01,757.87
  other v6: 1286.42,1840.55
USB_D1_N: J6.A7-B J6.B7-B U5.68 U14.1 U14.10 | length 2023.2
  Top Layer w5: v1@1313.61,2274.27 1314.55,2274.27 1325.79,2263.04 U5.68@1325.79,2235.24
  Int3 (Sign) w5: v1(378.94,1195.55) 380.59,1195.55 408.2,1223.16 408.2,1411.29 526.41,1529.5 643.67,1529.5 1045.86,1931.68 1045.86,2034.04 1286.17,2274.36 v1@1311.6,2274.36
  Bottom Layer w5: U14.1@322.83,1196.85 U14.10@355.71,1196.85 377.64,1196.85 v1(378.94,1195.55) 397.81,1195.55 417.27,1176.09 528.57,1176.09 531.5,1173.16 J6.A7-B@531.5,1153.54 555.12,1177.17 555.12,1301.18 J6.B7-B@531.5,1324.8
  other v1: 1313.51,2275.31
USB_D1_P: J6.A6-B J6.B6-B U5.67 U14.2 U14.9 | length 1934.1
  Top Layer w5: v1@1337.46,2274.47 1337.46,2273.24 1341.54,2269.17 U5.67@1341.54,2235.24
  Int3 (Sign) w5: v1(378.94,1215.55) 358.27,1236.22 358.27,1381.89 517.87,1541.5 638.7,1541.5 1033.86,1936.65 1033.86,2039.01 1286.88,2292.04 1326,2292.04 v1@1336.77,2281.27
  Bottom Layer w5: U14.2@322.83,1216.54 U14.9@355.71,1216.54 363.86,1216.54 364.33,1216.07 378.42,1216.07 v1(378.94,1215.55) 394.78,1215.55 422.24,1188.09 528.57,1188.09 531.5,1191.02 J6.A6-B@531.5,1210.63 J6.B6-B@531.5,1267.72
  other v1: 1338.37,2275.31